# Altium PCB Copy of Testboard.PcbDoc (part 2 of 2) (continued)
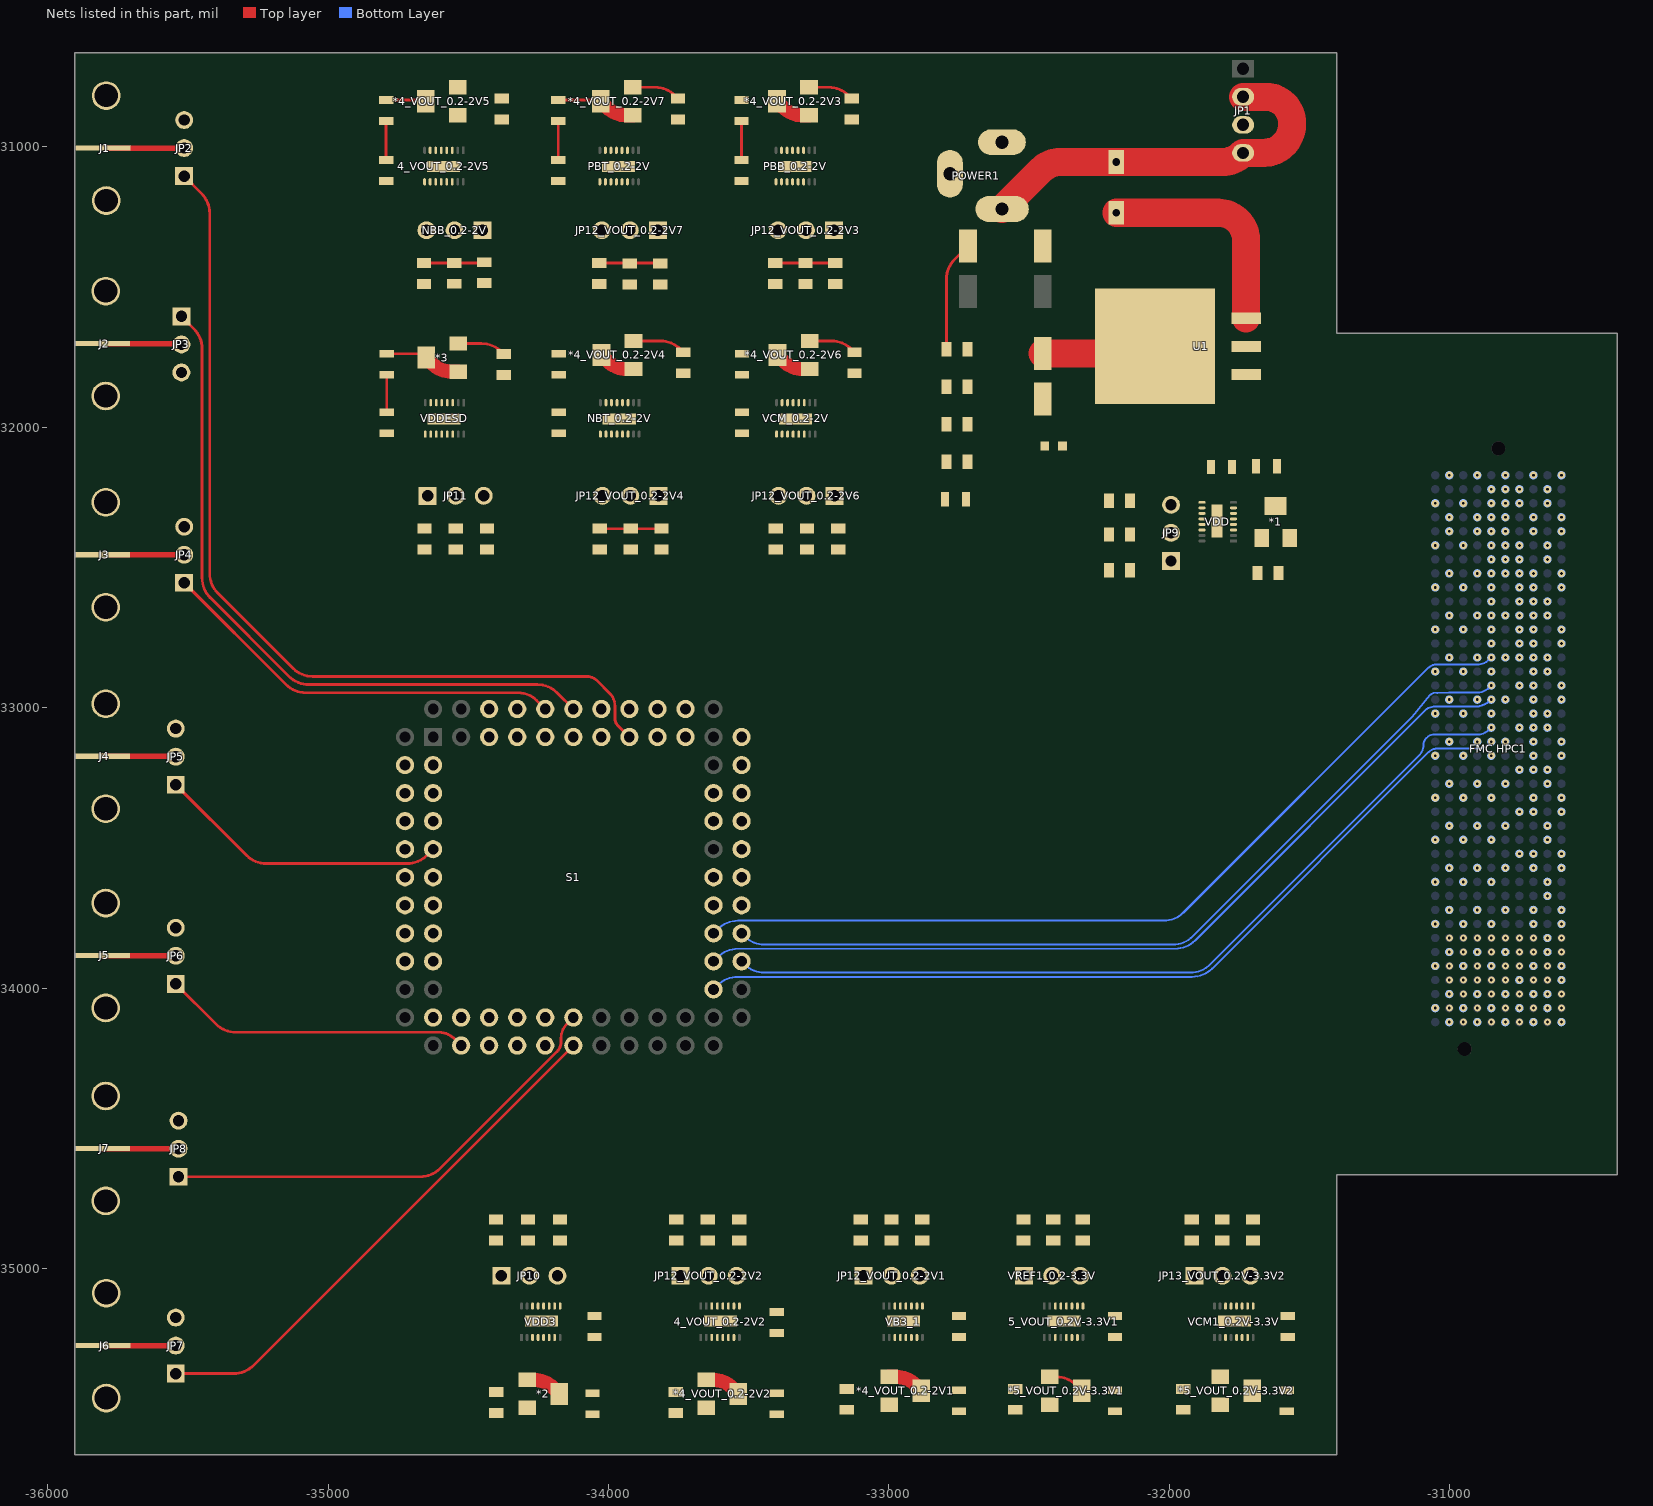
[diagram p2: the nets of this part, all layers, seen from the top]
## Nets (pads, with @x,y where several pads share a name; then routed paths per layer and width w, separated by ;. In a path a pad name is that pad's centre, name@x,y a point inside that pad or via, vN(x,y) a via of type N, cw(c..) or ccw(c..) an arc to the next point about the centre after c; other vN are vias at no path point) (continued)
  Bottom Layer w7: S1.18@-33525.44,-33805 -33514.73,-33815.71 ccw(c-33444.02,-33745) -33444.02,-33845 -31987.42,-33845 ccw(c-31987.42,-33745) -31916.71,-33815.71 -31134,-33033 -31070.98,-32956.02 ; -31070.96,-32955.99 cw(c-31052,-32971.51) -31046.37,-32947.67 ; v1(-30852,-32921.51) -30858.47,-32927.98 cw(c-30902,-32884.45) -30902,-32946.01 -31002.24,-32947.01 ccw(c-31002,-32971.51) -31002.35,-32947.01 -31043.07,-32947.62 ; -31046.37,-32947.67 ccw(c-31044.82,-32940.84) -31043.07,-32947.62 ; -31046.37,-32947.67 -31043.07,-32947.62
ADC_DOUT5: "FMC HPC1.F14" S1.19 | length 3167.4
  Bottom Layer w7: S1.19@-33625.44,-33805 -33609.73,-33789.29 cw(c-33539.02,-33860) -33539.02,-33760 -32020.42,-33760 ccw(c-32020.42,-33660) -31949.71,-33730.71 -31079.87,-32860.87 cw(c-31044,-32896.74) -31063.99,-32850.12 ccw(c-31066.8,-32843.71) -31063.55,-32849.9 cw(c-31052,-32871.51) -31055.01,-32847.2 ccw(c-31055.93,-32840.26) -31054.53,-32847.12 cw(c-31044,-32896.74) -31044,-32846.01 -30902,-32846.01 ccw(c-30901.98,-32784.49) -30876.38,-32840.43 ccw(c-30901.98,-32784.49) -30858.48,-32827.99 v1(-30852,-32821.51)
ADC_DOUT6: "FMC HPC1.F13" S1.20
  other v1: -30852,-32771.51
ADC_DOUT7: "FMC HPC1.F11" S1.21
  other v1: -30852,-32671.51
ADC_DOUT8: "FMC HPC1.F10" S1.22
  other v1: -30852,-32621.51
ADC_DOUT9: "FMC HPC1.F8" S1.23
  other v1: -30852,-32521.51
ADC_DOUT10: "FMC HPC1.F7" S1.24
  other v1: -30852,-32471.51
ADC_VIN: JP2.1 S1.40 | length 3247.6
  Top layer w10: JP2.1@-35513,-31105 -35451.29,-31166.71 cw(c-35522,-31237.42) -35422,-31237.42 -35422,-32521.54 ccw(c-35322,-32521.54) -35392.71,-32592.25 -35125.25,-32859.71 ccw(c-35054.54,-32789) -35054.54,-32889 -34077,-32889 cw(c-34077,-32939.47) -34041.31,-32903.78 -33995.32,-32949.78 cw(c-34039.55,-32994) -33977,-32994 -33977,-33040 ccw(c-33944.56,-33040) -33967.5,-33062.94 S1.40@-33925.44,-33105
DAC_CLK_AZ_IN1: "FMC HPC1.D12" S1.70
  other v1: -30752,-32721.51
DAC_CLK_DAC_IN1: "FMC HPC1.D14" S1.71
  other v1: -30752,-32821.51
DAC_CLK_IN1: "FMC HPC1.E2" S1.76
  other v1: -30802,-32221.51
DAC_DATAIN_IN1: "FMC HPC1.D9" S1.68
  other v1: -30752,-32571.51
DAC_RST_IN1: "FMC HPC1.D11" S1.69
  other v1: -30752,-32671.51
DAC_SHIFTOUT1: "FMC HPC1.E6" S1.80
  other v1: -30802,-32421.51
DAC_SYNC_IN1: "FMC HPC1.D8" S1.67
  other v1: -30752,-32521.51
DAC_TBUFFER_IN1: "FMC HPC1.E3" S1.79
  other v1: -30802,-32271.51
DAC_TBUFFER_OUT1: JP8.1 S1.2 | length 1670.4
  Top layer w10: JP8.1@-35533,-34673 -34671.42,-34673 ccw(c-34671.42,-34573) -34600.71,-34643.71 -34183.94,-34226.94 ccw(c-34220.21,-34190.66) -34168.91,-34190.66 -34168.91,-34177.98 cw(c-34097.68,-34177.98) -34148.05,-34127.61 S1.2@-34125.44,-34105
DAC_TDAC_IN1: "FMC HPC1.E7" S1.78
  other v1: -30802,-32471.51
DAC_TDAC_OUT1: JP6.1 S1.77 | length 1102.2
  Top layer w10: JP6.1@-35543,-33985 -35399.29,-34128.71 ccw(c-35328.58,-34058) -35328.58,-34158 -34604,-34158 cw(c-34604,-34234.2) -34555.9,-34175.1 cw(c-34604,-34234.2) -34550.12,-34180.32 S1.77@-34525.44,-34205 cw(c-34525.44,-34203.64) S1.77@-34526.39,-34204.61
DAC_VREF1: JP7.1 S1.1 | length 1897.9
  Top layer w10: JP7.1@-35543,-35375 -35336.86,-35375 ccw(c-35336.86,-35275) -35266.15,-35345.71 S1.1@-34125.44,-34205
GND: 4_VOUT_0.2-2V2.6 4_VOUT_0.2-2V2.7 4_VOUT_0.2-2V2.10 4_VOUT_0.2-2V2.11 4_VOUT_0.2-2V5.6 4_VOUT_0.2-2V5.7 4_VOUT_0.2-2V5.10 4_VOUT_0.2-2V5.11 5_VOUT_0.2V-3.3V1.6 5_VOUT_0.2V-3.3V1.7 5_VOUT_0.2V-3.3V1.10 5_VOUT_0.2V-3.3V1.11 "FMC HPC1.A1" "FMC HPC1.A4" "FMC HPC1.A5" "FMC HPC1.A8" "FMC HPC1.A9" "FMC HPC1.A12" "FMC HPC1.A13" "FMC HPC1.A16" "FMC HPC1.A17" "FMC HPC1.A20" "FMC HPC1.A21" "FMC HPC1.A24" "FMC HPC1.A25" "FMC HPC1.A28" "FMC HPC1.A29" "FMC HPC1.A32" "FMC HPC1.A33" "FMC HPC1.A36" "FMC HPC1.A37" "FMC HPC1.A40" "FMC HPC1.B2" "FMC HPC1.B3" "FMC HPC1.B6" "FMC HPC1.B7" "FMC HPC1.B10" "FMC HPC1.B11" "FMC HPC1.B14" "FMC HPC1.B15" "FMC HPC1.B18" "FMC HPC1.B19" "FMC HPC1.B22" "FMC HPC1.B23" "FMC HPC1.B26" "FMC HPC1.B27" "FMC HPC1.B30" "FMC HPC1.B31" "FMC HPC1.B34" "FMC HPC1.B35" "FMC HPC1.B38" "FMC HPC1.B39" "FMC HPC1.C1" "FMC HPC1.C4" "FMC HPC1.C5" "FMC HPC1.C8" "FMC HPC1.C9" "FMC HPC1.C12" "FMC HPC1.C13" "FMC HPC1.C16" "FMC HPC1.C17" "FMC HPC1.C20" "FMC HPC1.C21" "FMC HPC1.C24" "FMC HPC1.C25" "FMC HPC1.C28" "FMC HPC1.C29" "FMC HPC1.C32" "FMC HPC1.C33" "FMC HPC1.C36" "FMC HPC1.C38" "FMC HPC1.C40" "FMC HPC1.D2" "FMC HPC1.D3" "FMC HPC1.D6" "FMC HPC1.D7" "FMC HPC1.D10" "FMC HPC1.D13" "FMC HPC1.D16" "FMC HPC1.D19" "FMC HPC1.D22" "FMC HPC1.D25" "FMC HPC1.D28" "FMC HPC1.D37" "FMC HPC1.D39" "FMC HPC1.E1" "FMC HPC1.E4" "FMC HPC1.E5" "FMC HPC1.E8" "FMC HPC1.E11" "FMC HPC1.E14" "FMC HPC1.E17" "FMC HPC1.E20" "FMC HPC1.E23" "FMC HPC1.E26" "FMC HPC1.E29" "FMC HPC1.E32" "FMC HPC1.E35" "FMC HPC1.E38" "FMC HPC1.E40" "FMC HPC1.F2" "FMC HPC1.F3" "FMC HPC1.F6" "FMC HPC1.F9" "FMC HPC1.F12" "FMC HPC1.F15" "FMC HPC1.F18" "FMC HPC1.F21" "FMC HPC1.F24" "FMC HPC1.F27" "FMC HPC1.F30" "FMC HPC1.F33" "FMC HPC1.F36" "FMC HPC1.F39" "FMC HPC1.G1" "FMC HPC1.G4" "FMC HPC1.G5" "FMC HPC1.G8" "FMC HPC1.G11" "FMC HPC1.G14" "FMC HPC1.G17" "FMC HPC1.G20" "FMC HPC1.G23" "FMC HPC1.G26" "FMC HPC1.G29" "FMC HPC1.G32" "FMC HPC1.G35" "FMC HPC1.G38" "FMC HPC1.G40" "FMC HPC1.H3" "FMC HPC1.H6" "FMC HPC1.H9" "FMC HPC1.H12" "FMC HPC1.H15" "FMC HPC1.H18" "FMC HPC1.H21" "FMC HPC1.H24" "FMC HPC1.H27" "FMC HPC1.H30" "FMC HPC1.H33" "FMC HPC1.H36" "FMC HPC1.H39" "FMC HPC1.J1" "FMC HPC1.J4" "FMC HPC1.J5" "FMC HPC1.J8" "FMC HPC1.J11" "FMC HPC1.J14" "FMC HPC1.J17" "FMC HPC1.J20" "FMC HPC1.J23" "FMC HPC1.J26" "FMC HPC1.J29" "FMC HPC1.J32" "FMC HPC1.J35" "FMC HPC1.J38" "FMC HPC1.J40" "FMC HPC1.K3" "FMC HPC1.K6" "FMC HPC1.K9" "FMC HPC1.K12" "FMC HPC1.K15" "FMC HPC1.K18" "FMC HPC1.K21" "FMC HPC1.K24" "FMC HPC1.K27" "FMC HPC1.K30" "FMC HPC1.K33" "FMC HPC1.K36" "FMC HPC1.K39" C3.1 C4.2 C5.1 C6.1 C7.1 C8.1 C9.1 C10.2 C11.1 C12.1 C13.2 C14.1 C15.1 C16.2 C17.1 C18.1 C19.2 C20.1 C21.1 C22.2 C23.1 C24.1 C25.2 C26.1 C27.1 C28.2 C29.1 C30.1 C31.2 C32.1 C33.1 C34.2 C35.1 C36.1 C37.2 C38.1 C39.1 C40.1 C41.1 C42_VOUT_0.2-2V1.1 C42_VOUT_0.2-2V2.1 C42_VOUT_0.2-2V3.1 C42_VOUT_0.2-2V4.1 C42_VOUT_0.2-2V5.1 C42_VOUT_0.2-2V6.1 C42_VOUT_0.2-2V7.1 C43_VOUT_0.2V-3.3V1.1 C43_VOUT_0.2V-3.3V2.1 C44.2 C45.2 C46.2 C47.2 C48.2 D1.1 J1.MH J2.MH J3.MH J4.MH J5.MH J6.MH J7.MH JP1.3 JP2.3 JP3.3 JP4.3 JP5.3 JP6.3 JP7.3 JP8.3 JP9.3 JP10.3 JP11.3 JP12_VOUT_0.2-2V1.3 JP12_VOUT_0.2-2V2.3 JP12_VOUT_0.2-2V3.3 JP12_VOUT_0.2-2V4.3 JP12_VOUT_0.2-2V6.3 JP12_VOUT_0.2-2V7.3 JP13_VOUT_0.2V-3.3V2.3 NBB_0.2-2V.3 NBT_0.2-2V.6 NBT_0.2-2V.7 NBT_0.2-2V.10 NBT_0.2-2V.11 PBB_0.2-2V.6 PBB_0.2-2V.7 PBB_0.2-2V.10 PBB_0.2-2V.11 PBT_0.2-2V.6 PBT_0.2-2V.7 PBT_0.2-2V.10 PBT_0.2-2V.11 POWER1.2 POWER1.3 R2.1 R4.1 R6.1 R8_VOUT_0.2-2V1.1 R8_VOUT_0.2-2V2.1 R8_VOUT_0.2-2V3.1 R8_VOUT_0.2-2V4.1 R8_VOUT_0.2-2V5.1 R8_VOUT_0.2-2V6.1 R8_VOUT_0.2-2V7.1 R10_VOUT_0.2V-3.3V1.1 R10_VOUT_0.2V-3.3V2.1 S1.28 S1.30 S1.58 S1.61 S1.66 U1.1 VB3_1.6 VB3_1.7 VB3_1.10 VB3_1.11 VCM1_0.2V-3.3V.6 VCM1_0.2V-3.3V.7 VCM1_0.2V-3.3V.10 VCM1_0.2V-3.3V.11 VCM_0.2-2V.6 VCM_0.2-2V.7 VCM_0.2-2V.10 VCM_0.2-2V.11 VDD3.6 VDD3.7 VDD3.10 VDD3.11 VDD.6 VDD.7 VDD.10 VDD.11 VDDESD.6 VDDESD.7 VDDESD.10 VDDESD.11 VREF1_0.2-3.3V.3
  other v1: -31002,-34121.51 -30952,-34121.51 -30902,-34121.51 -30852,-34121.51 -30802,-34121.51 -30752,-34121.51 -30702,-34121.51 -30652,-34121.51 -30602,-34121.51 -31052,-34071.51 -31002,-34071.51 -30952,-34071.51 -30902,-34071.51 -30852,-34071.51 -30802,-34071.51 -30752,-34071.51 -30702,-34071.51 -30652,-34071.51 -30602,-34071.51 -31002,-34021.51 -30952,-34021.51 -30902,-34021.51 -30852,-34021.51 -30802,-34021.51 -30752,-34021.51 -30702,-34021.51 -30652,-34021.51 -30602,-34021.51 -31002,-33971.51 -30952,-33971.51 -30902,-33971.51 -30852,-33971.51 -30802,-33971.51 -30752,-33971.51 -30702,-33971.51 -30652,-33971.51 -30602,-33971.51 -31052,-33921.51 -31002,-33921.51 -30952,-33921.51 -30902,-33921.51 -30852,-33921.51 -30802,-33921.51 -30752,-33921.51 -30702,-33921.51 -30652,-33921.51 -30602,-33921.51 -31002,-33871.51 -30952,-33871.51 -30902,-33871.51 -30852,-33871.51 -30802,-33871.51 -30752,-33871.51 -30702,-33871.51 -30652,-33871.51 -30602,-33871.51 -31002,-33821.51 -30952,-33821.51 -30902,-33821.51 -30852,-33821.51 -30802,-33821.51 -30752,-33821.51 -30702,-33821.51 -30652,-33821.51 -30602,-33821.51 -31052,-33771.51 -30952,-33771.51 -30852,-33771.51 -30702,-33771.51 -30602,-33771.51 -31002,-33721.51 -30902,-33721.51 -30802,-33721.51 -30702,-33721.51 -30602,-33721.51 -30652,-33671.51 -31052,-33621.51 -30952,-33621.51 -30852,-33621.51 -30652,-33621.51 -31002,-33571.51 -30902,-33571.51 -30802,-33571.51 -30702,-33571.51 -30602,-33571.51 -30752,-33521.51 -30702,-33521.51 -30602,-33521.51 -31052,-33471.51 -30952,-33471.51 -30852,-33471.51 -30652,-33471.51 -31002,-33421.51 -30902,-33421.51 -30802,-33421.51 -30652,-33421.51 -30752,-33371.51 -30702,-33371.51 -30602,-33371.51 -31052,-33321.51 -30952,-33321.51 -30852,-33321.51 -30702,-33321.51 -30602,-33321.51 -31002,-33271.51 -30902,-33271.51 -30802,-33271.51 -30652,-33271.51 -30752,-33221.51 -30652,-33221.51 -31052,-33171.51 -30952,-33171.51 -30852,-33171.51 -30702,-33171.51 -30602,-33171.51 -31002,-33121.51 -30902,-33121.51 -30802,-33121.51 -30702,-33121.51 -30602,-33121.51 -30752,-33071.51 -30652,-33071.51 -31052,-33021.51 -30952,-33021.51 -30852,-33021.51 -30652,-33021.51 -31002,-32971.51 -30902,-32971.51 -30802,-32971.51 -30702,-32971.51 -30602,-32971.51 -30752,-32921.51 -30702,-32921.51 -30602,-32921.51 -31052,-32871.51 -30952,-32871.51 -30852,-32871.51 -30652,-32871.51 -31002,-32821.51 -30902,-32821.51 -30802,-32821.51 -30652,-32821.51 -30752,-32771.51 -30702,-32771.51 -30602,-32771.51 -31052,-32721.51 -30952,-32721.51 -30852,-32721.51 -30702,-32721.51 -30602,-32721.51 -31002,-32671.51 -30902,-32671.51 -30802,-32671.51 -30652,-32671.51 -30752,-32621.51 -30652,-32621.51 -31052,-32571.51 -30952,-32571.51 -30852,-32571.51 -30702,-32571.51 -30602,-32571.51 -31002,-32521.51 -30902,-32521.51 -30802,-32521.51 -30702,-32521.51 -30602,-32521.51 -30752,-32471.51 -30652,-32471.51 -31052,-32421.51 -30952,-32421.51 -30852,-32421.51 -30752,-32421.51 -30652,-32421.51 -31002,-32371.51 -30902,-32371.51 -30802,-32371.51 -30702,-32371.51 -30602,-32371.51 -31002,-32321.51 -30902,-32321.51 -30802,-32321.51 -30702,-32321.51 -30602,-32321.51 -31052,-32271.51 -30952,-32271.51 -30852,-32271.51 -30752,-32271.51 -30652,-32271.51 -30852,-32221.51 -30752,-32221.51 -30652,-32221.51 -31002,-32171.51 -30902,-32171.51 -30802,-32171.51 -30702,-32171.51 -30602,-32171.51
NBB0.2-2V: C9.2 C10.1 C11.2 NBB_0.2-2V.2 S1.37 S1.56 | length 215.9
  Top layer w10: C9.2@-34658,-31415.2 -34450.72,-31415.2 ccw(c-34450.72,-31404.28) C11.2@-34443,-31412
NBT0.2-2V: C12.2 C13.1 C14.2 JP12_VOUT_0.2-2V4.2 S1.36 S1.57 | length 220
  Top layer w10: C12.2@-34031.02,-32362.2 C14.2@-33811,-32362.2
Net1_3: *1.3 C39.2 JP9.1 VDD.3 VDD.4
Net1_5: *1.1 *1.2 R1.2 VDD.5
Net2_3: *2.3 C40.2 JP10.1 VDD3.3 VDD3.4
Net2_5: *2.1 *2.2 R3.2 VDD3.5 | length 130.6
  Top layer w50: *2.1@-34290.09,-35397.01 -34267.33,-35397.01 cw(c-34267.33,-35497.01) -34196.62,-35426.3 *2.2@-34175.91,-35447.01
Net3_3: *3.3 C41.2 JP11.1 VDDESD.3 VDDESD.4 | length 173.1
  Top layer w10: *3.3@-34535.91,-31701.87 -34452.75,-31701.87 cw(c-34452.75,-31801.87) -34382.04,-31731.16 C41.2@-34374,-31739.2
Net3_5: *3.1 *3.2 R5.2 VDDESD.5 | length 275.2
  Top layer w10: R5.2@-34791,-31738 -34683.56,-31738 cw(c-34683.56,-31785.34) *3.2@-34650.09,-31751.87
  Top layer w50: *3.2@-34650.09,-31751.87 -34629.38,-31772.58 ccw(c-34558.66,-31701.87) -34558.66,-31801.87 *3.1@-34535.91,-31801.87
Net4_VOUT_0.2-2V1_3: *4_VOUT_0.2-2V1.3 C42_VOUT_0.2-2V1.2 JP12_VOUT_0.2-2V1.1 VB3_1.3 VB3_1.4
Net4_VOUT_0.2-2V1_5: *4_VOUT_0.2-2V1.1 *4_VOUT_0.2-2V1.2 R7_VOUT_0.2-2V1.2 VB3_1.5 | length 130.6
  Top layer w50: *4_VOUT_0.2-2V1.1@-32998.46,-35386.04 -32975.71,-35386.04 cw(c-32975.71,-35486.04) -32905,-35415.33 *4_VOUT_0.2-2V1.2@-32884.29,-35436.04
Net4_VOUT_0.2-2V2_3: 4_VOUT_0.2-2V2.3 4_VOUT_0.2-2V2.4 *4_VOUT_0.2-2V2.3 C42_VOUT_0.2-2V2.2 JP12_VOUT_0.2-2V2.1
Net4_VOUT_0.2-2V2_5: 4_VOUT_0.2-2V2.5 *4_VOUT_0.2-2V2.1 *4_VOUT_0.2-2V2.2 R7_VOUT_0.2-2V2.2 | length 130.6
  Top layer w50: *4_VOUT_0.2-2V2.1@-33651.07,-35397.01 -33628.32,-35397.01 cw(c-33628.32,-35497.01) -33557.61,-35426.3 *4_VOUT_0.2-2V2.2@-33536.9,-35447.01
Net4_VOUT_0.2-2V3_3: *4_VOUT_0.2-2V3.3 C42_VOUT_0.2-2V3.2 JP12_VOUT_0.2-2V3.1 PBB_0.2-2V.3 PBB_0.2-2V.4 | length 164.3
  Top layer w10: *4_VOUT_0.2-2V3.3@-33284.93,-30788 -33214.66,-30788 cw(c-33214.66,-30888) -33143.95,-30817.29 C42_VOUT_0.2-2V3.2@-33133,-30828.24
Net4_VOUT_0.2-2V3_5: *4_VOUT_0.2-2V3.1 *4_VOUT_0.2-2V3.2 PBB_0.2-2V.5 R7_VOUT_0.2-2V3.2 | length 130.6
  Top layer w50: *4_VOUT_0.2-2V3.2@-33399.1,-30838 -33378.39,-30858.71 ccw(c-33307.68,-30788) -33307.68,-30888 *4_VOUT_0.2-2V3.1@-33284.93,-30888
Net4_VOUT_0.2-2V4_3: *4_VOUT_0.2-2V4.3 C42_VOUT_0.2-2V4.2 JP12_VOUT_0.2-2V4.1 NBT_0.2-2V.3 NBT_0.2-2V.4 | length 190.3
  Top layer w10: *4_VOUT_0.2-2V4.3@-33910.93,-31692.76 -33814.66,-31692.76 cw(c-33814.66,-31792.76) -33743.95,-31722.05 C42_VOUT_0.2-2V4.2@-33733,-31733
Net4_VOUT_0.2-2V4_5: *4_VOUT_0.2-2V4.1 *4_VOUT_0.2-2V4.2 NBT_0.2-2V.5 R7_VOUT_0.2-2V4.2 | length 130.6
  Top layer w50: *4_VOUT_0.2-2V4.2@-34025.1,-31742.76 -34004.39,-31763.47 ccw(c-33933.68,-31692.76) -33933.68,-31792.76 *4_VOUT_0.2-2V4.1@-33910.93,-31792.76
Net4_VOUT_0.2-2V5_3: 4_VOUT_0.2-2V5.3 4_VOUT_0.2-2V5.4 *4_VOUT_0.2-2V5.3 C42_VOUT_0.2-2V5.2 NBB_0.2-2V.1
Net4_VOUT_0.2-2V5_5: 4_VOUT_0.2-2V5.5 *4_VOUT_0.2-2V5.1 *4_VOUT_0.2-2V5.2 R7_VOUT_0.2-2V5.2 | length 140.9
  Top layer w10: R7_VOUT_0.2-2V5.2@-34792.6,-30833.64 -34678.58,-30833.64 *4_VOUT_0.2-2V5.2@-34652.09,-30838
Net4_VOUT_0.2-2V6_3: *4_VOUT_0.2-2V6.3 C42_VOUT_0.2-2V6.2 JP12_VOUT_0.2-2V6.1 VCM_0.2-2V.3 VCM_0.2-2V.4 | length 172.3
  Top layer w10: *4_VOUT_0.2-2V6.3@-33282.93,-31692.76 -33204.66,-31692.76 cw(c-33204.66,-31792.76) -33133.95,-31722.05 C42_VOUT_0.2-2V6.2@-33123,-31733
Net4_VOUT_0.2-2V6_5: *4_VOUT_0.2-2V6.1 *4_VOUT_0.2-2V6.2 R7_VOUT_0.2-2V6.2 VCM_0.2-2V.5 | length 130.6
  Top layer w50: *4_VOUT_0.2-2V6.2@-33397.1,-31742.76 -33376.39,-31763.47 ccw(c-33305.68,-31692.76) -33305.68,-31792.76 *4_VOUT_0.2-2V6.1@-33282.93,-31792.76
Net4_VOUT_0.2-2V7_3: *4_VOUT_0.2-2V7.3 C42_VOUT_0.2-2V7.2 JP12_VOUT_0.2-2V7.1 PBT_0.2-2V.3 PBT_0.2-2V.4 | length 173.3
  Top layer w10: *4_VOUT_0.2-2V7.3@-33912.93,-30788 -33833.66,-30788 cw(c-33833.66,-30888) -33762.95,-30817.29 C42_VOUT_0.2-2V7.2@-33752,-30828.24
Net4_VOUT_0.2-2V7_5: *4_VOUT_0.2-2V7.1 *4_VOUT_0.2-2V7.2 PBT_0.2-2V.5 R7_VOUT_0.2-2V7.2 | length 283.8
  Top layer w10: R7_VOUT_0.2-2V7.2@-34179,-30833.24 -34038.61,-30833.24 cw(c-34038.61,-30849.5) *4_VOUT_0.2-2V7.2@-34027.1,-30838
  Top layer w50: *4_VOUT_0.2-2V7.2@-34027.1,-30838 -34006.39,-30858.71 ccw(c-33935.68,-30788) -33935.68,-30888 *4_VOUT_0.2-2V7.1@-33912.93,-30888
Net5_VOUT_0.2V-3.3V1_3: 5_VOUT_0.2V-3.3V1.3 *5_VOUT_0.2V-3.3V1.3 C43_VOUT_0.2V-3.3V1.2 VREF1_0.2-3.3V.1
Net5_VOUT_0.2V-3.3V1_5: 5_VOUT_0.2V-3.3V1.5 *5_VOUT_0.2V-3.3V1.1 *5_VOUT_0.2V-3.3V1.2 R9_VOUT_0.2V-3.3V1.2 | length 130.6
  Top layer w10: *5_VOUT_0.2V-3.3V1.1@-32426.17,-35386.04 -32403.42,-35386.04 cw(c-32403.42,-35486.04) -32332.71,-35415.33 *5_VOUT_0.2V-3.3V1.2@-32312,-35436.04
Net5_VOUT_0.2V-3.3V2_3: *5_VOUT_0.2V-3.3V2.3 C43_VOUT_0.2V-3.3V2.2 JP13_VOUT_0.2V-3.3V2.1 VCM1_0.2V-3.3V.3
Net5_VOUT_0.2V-3.3V2_5: *5_VOUT_0.2V-3.3V2.1 *5_VOUT_0.2V-3.3V2.2 R9_VOUT_0.2V-3.3V2.2 VCM1_0.2V-3.3V.5
NetD1_2: D1.2 R11.1
NetJ1_1: J1.1 JP2.2 | length 290
  Top layer w20: J1.1@-35803,-31005 JP2.2@-35513,-31005
NetJ2_1: J2.1 JP3.2 | length 283.1
  Top layer w20: J2.1@-35804.81,-31702.01 -35804.26,-31702.56 -35525.44,-31702.56 JP3.2@-35523,-31705
NetJ3_1: J3.1 JP4.2 | length 291.6
  Top layer w20: J3.1@-35804.57,-32455 JP4.2@-35513,-32455
NetJ4_1: J4.1 JP5.2 | length 262.4
  Top layer w20: J4.1@-35804.81,-33173.5 -35804.26,-33174.06 -35543.94,-33174.06 JP5.2@-35543,-33175
NetJ5_1: J5.1 JP6.2 | length 262.2
  Top layer w20: J5.1@-35804.81,-33884 -35804.31,-33884.5 -35543.5,-33884.5 JP6.2@-35543,-33885
NetJ6_1: J6.1 JP7.2 | length 260
  Top layer w20: J6.1@-35803,-35275 JP7.2@-35543,-35275
NetJ7_1: J7.1 JP8.2 | length 272.2
  Top layer w10: J7.1@-35804.81,-34572.01 J7.1@-35804.31,-34572.5 ; JP8.2@-35533.5,-34572.5 JP8.2@-35533,-34573
  Top layer w20: J7.1@-35804.31,-34572.5 JP8.2@-35533.5,-34572.5
NetR1_1: R1.1 R2.2
NetR3_1: R3.1 R4.2
NetR5_1: R5.1 R6.2 | length 134.4
  Top layer w10: R6.2@-34791,-31947.24 R5.1@-34791,-31812.8
NetR7_VOUT_0.2-2V1_1: R7_VOUT_0.2-2V1.1 R8_VOUT_0.2-2V1.2
NetR7_VOUT_0.2-2V2_1: R7_VOUT_0.2-2V2.1 R8_VOUT_0.2-2V2.2
NetR7_VOUT_0.2-2V3_1: R7_VOUT_0.2-2V3.1 R8_VOUT_0.2-2V3.2 | length 139.3
  Top layer w10: R8_VOUT_0.2-2V3.2@-33526,-31047.38 R7_VOUT_0.2-2V3.1@-33526,-30908.04
NetR7_VOUT_0.2-2V4_1: R7_VOUT_0.2-2V4.1 R8_VOUT_0.2-2V4.2
NetR7_VOUT_0.2-2V5_1: R7_VOUT_0.2-2V5.1 R8_VOUT_0.2-2V5.2 | length 139.3
  Top layer w10: R8_VOUT_0.2-2V5.2@-34793,-31047.38 R7_VOUT_0.2-2V5.1@-34793,-30908.04
NetR7_VOUT_0.2-2V6_1: R7_VOUT_0.2-2V6.1 R8_VOUT_0.2-2V6.2
NetR7_VOUT_0.2-2V7_1: R7_VOUT_0.2-2V7.1 R8_VOUT_0.2-2V7.2 | length 139.3
  Top layer w10: R8_VOUT_0.2-2V7.2@-34179,-31047.38 R7_VOUT_0.2-2V7.1@-34179,-30908.04
NetR9_VOUT_0.2V-3.3V1_1: R9_VOUT_0.2V-3.3V1.1 R10_VOUT_0.2V-3.3V1.2
NetR9_VOUT_0.2V-3.3V2_1: R9_VOUT_0.2V-3.3V2.1 R10_VOUT_0.2V-3.3V2.2
PBB0.2-2V: C15.2 C16.1 C17.2 JP12_VOUT_0.2-2V3.2 S1.35 S1.60 | length 213
  Top layer w10: C15.2@-33405.02,-31415.2 C17.2@-33192,-31415.2
PBT0.2-2V: C3.2 C4.1 C5.2 JP12_VOUT_0.2-2V7.2 S1.39 S1.49 | length 218.2
  Top layer w10: C5.2@-34033.02,-31415.2 -33816.94,-31415.2 cw(c-33816.94,-31417.94) C3.2@-33815,-31416
POWER: JP1.2 JP1.4 POWER1.1 Switch1.1 | length 1398.9
  Top layer w100: POWER1.1@-32596.45,-31222.19 -32458.03,-31083.77 cw(c-32387.32,-31154.48) -32387.32,-31054.48 Switch1.1@-32189,-31054.48 -31810.9,-31054.48 ccw(c-31810.9,-30954.48) -31740.19,-31025.19 JP1.4@-31737,-31022 -31663,-31022 ccw(c-31663,-30922) -31563,-30922 -31563,-30915 ccw(c-31656,-30915) -31656,-30822 JP1.2@-31737,-30822
TIA_CIN0: "FMC HPC1.C11" S1.42
  other v1: -30702,-32671.51
TIA_CIN1: "FMC HPC1.C18" S1.47
  other v1: -30702,-33021.51
TIA_CIN2: "FMC HPC1.C10" S1.41
  other v1: -30702,-32621.51
TIA_CIN3: "FMC HPC1.C15" S1.46
  other v1: -30702,-32871.51
TIA_CIN4: "FMC HPC1.C19" S1.50
  other v1: -30702,-33071.51
TIA_CIN5: "FMC HPC1.C14" S1.44
  other v1: -30702,-32821.51
TIA_CIN6: "FMC HPC1.C22" S1.64
  other v1: -30702,-33221.51
TIA_VIN: JP3.1 S1.43 | length 2487.5
  Top layer w10: JP3.1@-35523,-31605 -35478.29,-31649.71 cw(c-35549,-31720.42) -35449,-31720.42 -35449,-32537.58 ccw(c-35349,-32537.58) -35419.71,-32608.29 -35139.29,-32888.71 ccw(c-35068.58,-32818) -35068.58,-32918 -34253.86,-32918 cw(c-34253.86,-33018) -34183.15,-32947.29 S1.43@-34125.44,-33005
TIA_VIP: JP4.1 S1.45 | length 1465.6
  Top layer w10: JP4.1@-35513,-32555 -35150.29,-32917.71 ccw(c-35079.58,-32847) -35079.58,-32947 -34322,-32947 cw(c-34322,-33040.1) -34256.17,-32974.27 S1.45@-34225.44,-33005
TIA_VOUT: JP5.1 S1.63 | length 1054.9
  Top layer w10: JP5.1@-35543,-33275 -35291.29,-33526.71 ccw(c-35220.58,-33456) -35220.58,-33556 -34717.86,-33556 ccw(c-34717.86,-33456) -34647.15,-33526.71 S1.63@-34625.44,-33505 cw(c-34636.15,-33505) S1.63@-34628.57,-33512.57
VB3_1: C21.2 C22.1 C23.2 JP12_VOUT_0.2-2V1.2 S1.81
VB4_1: C18.2 C19.1 C20.2 JP12_VOUT_0.2-2V2.2 S1.82
VCM0.2-2V: C6.2 C7.2 C8.2 JP12_VOUT_0.2-2V6.2 S1.38 S1.48
VCM1_0.2V-3.3V: C33.2 C34.1 C35.2 JP13_VOUT_0.2V-3.3V2.2 S1.83
VREF1_0.2V-3.3V: C30.2 C31.1 C32.2 S1.84 VREF1_0.2-3.3V.2
pads on no net: 4_VOUT_0.2-2V2.1 4_VOUT_0.2-2V2.2 4_VOUT_0.2-2V2.8 4_VOUT_0.2-2V2.15 4_VOUT_0.2-2V2.16 4_VOUT_0.2-2V5.1 4_VOUT_0.2-2V5.2 4_VOUT_0.2-2V5.8 4_VOUT_0.2-2V5.15 4_VOUT_0.2-2V5.16 5_VOUT_0.2V-3.3V1.1 5_VOUT_0.2V-3.3V1.2 5_VOUT_0.2V-3.3V1.4 5_VOUT_0.2V-3.3V1.8 5_VOUT_0.2V-3.3V1.15 5_VOUT_0.2V-3.3V1.16 "FMC HPC1." "FMC HPC1.A2" "FMC HPC1.A3" "FMC HPC1.A6" "FMC HPC1.A7" "FMC HPC1.A10" "FMC HPC1.A11" "FMC HPC1.A14" "FMC HPC1.A15" "FMC HPC1.A18" "FMC HPC1.A19" "FMC HPC1.A22" "FMC HPC1.A23" "FMC HPC1.A26" "FMC HPC1.A27" "FMC HPC1.A30" "FMC HPC1.A31" "FMC HPC1.A34" "FMC HPC1.A35" "FMC HPC1.A38" "FMC HPC1.A39" "FMC HPC1.B1" "FMC HPC1.B4" "FMC HPC1.B5" "FMC HPC1.B8" "FMC HPC1.B9" "FMC HPC1.B12" "FMC HPC1.B13" "FMC HPC1.B16" "FMC HPC1.B17" "FMC HPC1.B20" "FMC HPC1.B21" "FMC HPC1.B24" "FMC HPC1.B25" "FMC HPC1.B28" "FMC HPC1.B29" "FMC HPC1.B32" "FMC HPC1.B33" "FMC HPC1.B36" "FMC HPC1.B37" "FMC HPC1.B40" "FMC HPC1.C2" "FMC HPC1.C3" "FMC HPC1.C6" "FMC HPC1.C7" "FMC HPC1.C23" "FMC HPC1.C26" "FMC HPC1.C27" "FMC HPC1.C30" "FMC HPC1.C31" "FMC HPC1.C34" "FMC HPC1.C35" "FMC HPC1.C37" "FMC HPC1.C39" "FMC HPC1.D1" "FMC HPC1.D4" "FMC HPC1.D5" "FMC HPC1.D15" "FMC HPC1.D17" "FMC HPC1.D18" "FMC HPC1.D20" "FMC HPC1.D21" "FMC HPC1.D23" "FMC HPC1.D24" "FMC HPC1.D26" "FMC HPC1.D27" "FMC HPC1.D29" "FMC HPC1.D30" "FMC HPC1.D31" "FMC HPC1.D32" "FMC HPC1.D33" "FMC HPC1.D34" "FMC HPC1.D35" "FMC HPC1.D36" "FMC HPC1.D38" "FMC HPC1.D40" "FMC HPC1.E9" "FMC HPC1.E10" "FMC HPC1.E12" "FMC HPC1.E13" "FMC HPC1.E15" "FMC HPC1.E16" "FMC HPC1.E18" "FMC HPC1.E19" "FMC HPC1.E21" "FMC HPC1.E22" "FMC HPC1.E24" "FMC HPC1.E25" "FMC HPC1.E27" "FMC HPC1.E28" "FMC HPC1.E30" "FMC HPC1.E31" "FMC HPC1.E33" "FMC HPC1.E34" "FMC HPC1.E36" "FMC HPC1.E37" "FMC HPC1.E39" "FMC HPC1.F1" "FMC HPC1.F22" "FMC HPC1.F23" "FMC HPC1.F25" "FMC HPC1.F26" "FMC HPC1.F28" "FMC HPC1.F29" "FMC HPC1.F31" "FMC HPC1.F32" "FMC HPC1.F34" "FMC HPC1.F35" "FMC HPC1.F37" "FMC HPC1.F38" "FMC HPC1.F40" "FMC HPC1.G2" "FMC HPC1.G3" "FMC HPC1.G6" "FMC HPC1.G7" "FMC HPC1.G9" "FMC HPC1.G10" "FMC HPC1.G12" "FMC HPC1.G13" "FMC HPC1.G15" "FMC HPC1.G16" "FMC HPC1.G18" "FMC HPC1.G19" "FMC HPC1.G21" "FMC HPC1.G22" "FMC HPC1.G24" "FMC HPC1.G25" "FMC HPC1.G27" "FMC HPC1.G28" "FMC HPC1.G30" "FMC HPC1.G31" "FMC HPC1.G33" "FMC HPC1.G34" "FMC HPC1.G36" "FMC HPC1.G37" "FMC HPC1.G39" "FMC HPC1.H1" "FMC HPC1.H2" "FMC HPC1.H4" "FMC HPC1.H5" "FMC HPC1.H7" "FMC HPC1.H8" "FMC HPC1.H10" "FMC HPC1.H11" "FMC HPC1.H13" "FMC HPC1.H14" "FMC HPC1.H16" "FMC HPC1.H17" "FMC HPC1.H19" "FMC HPC1.H20" "FMC HPC1.H22" "FMC HPC1.H23" "FMC HPC1.H25" "FMC HPC1.H26" "FMC HPC1.H28" "FMC HPC1.H29" "FMC HPC1.H31" "FMC HPC1.H32" "FMC HPC1.H34" "FMC HPC1.H35" "FMC HPC1.H37" "FMC HPC1.H38" "FMC HPC1.H40" "FMC HPC1.J2" "FMC HPC1.J3" "FMC HPC1.J6" "FMC HPC1.J7" "FMC HPC1.J9" "FMC HPC1.J10" "FMC HPC1.J12" "FMC HPC1.J13" "FMC HPC1.J15" "FMC HPC1.J16" "FMC HPC1.J18" "FMC HPC1.J19" "FMC HPC1.J21" "FMC HPC1.J22" "FMC HPC1.J24" "FMC HPC1.J25" "FMC HPC1.J27" "FMC HPC1.J28" "FMC HPC1.J30" "FMC HPC1.J31" "FMC HPC1.J33" "FMC HPC1.J34" "FMC HPC1.J36" "FMC HPC1.J37" "FMC HPC1.J39" "FMC HPC1.K1" "FMC HPC1.K2" "FMC HPC1.K4" "FMC HPC1.K5" "FMC HPC1.K7" "FMC HPC1.K8" "FMC HPC1.K10" "FMC HPC1.K11" "FMC HPC1.K13" "FMC HPC1.K14" "FMC HPC1.K16" "FMC HPC1.K17" "FMC HPC1.K19" "FMC HPC1.K20" "FMC HPC1.K22" "FMC HPC1.K23" "FMC HPC1.K25" "FMC HPC1.K26" "FMC HPC1.K28" "FMC HPC1.K29" "FMC HPC1.K31" "FMC HPC1.K32" "FMC HPC1.K34" "FMC HPC1.K35" "FMC HPC1.K37" "FMC HPC1.K38" "FMC HPC1.K40" C1.2 C2.2 JP1.1 NBT_0.2-2V.1 NBT_0.2-2V.2 NBT_0.2-2V.8 NBT_0.2-2V.15 NBT_0.2-2V.16 PBB_0.2-2V.1 PBB_0.2-2V.2 PBB_0.2-2V.8 PBB_0.2-2V.15 PBB_0.2-2V.16 PBT_0.2-2V.1 PBT_0.2-2V.2 PBT_0.2-2V.8 PBT_0.2-2V.15 PBT_0.2-2V.16 S1.3 S1.4 S1.5 S1.6 S1.7 S1.8 S1.9 S1.10 S1.11 S1.12 S1.13 S1.14 S1.25 S1.31 S1.33 S1.34 S1.51 S1.52 S1.53 S1.54 S1.55 S1.72 S1.73 S1.74 S1.75 VB3_1.1 VB3_1.2 VB3_1.8 VB3_1.15 VB3_1.16 VCM1_0.2V-3.3V.1 VCM1_0.2V-3.3V.2 VCM1_0.2V-3.3V.4 VCM1_0.2V-3.3V.8 VCM1_0.2V-3.3V.15 VCM1_0.2V-3.3V.16 VCM_0.2-2V.1 VCM_0.2-2V.2 VCM_0.2-2V.8 VCM_0.2-2V.15 VCM_0.2-2V.16 VDD3.1 VDD3.2 VDD3.8 VDD3.15 VDD3.16 VDD.1 VDD.2 VDD.8 VDD.15 VDD.16 VDDESD.1 VDDESD.2 VDDESD.8 VDDESD.15 VDDESD.16
copper on no net:
  other v1: -31052,-34121.51 -31052,-34021.51 -31052,-33971.51 -31052,-33821.51 -31002,-33771.51 -30902,-33771.51 -30802,-33771.51 -30752,-33771.51 -30652,-33771.51 -31052,-33721.51 -30952,-33721.51 -30852,-33721.51 -30752,-33721.51 -30652,-33721.51 -31052,-33671.51 -31002,-33671.51 -30952,-33671.51 -30902,-33671.51 -30852,-33671.51 -30802,-33671.51 -30752,-33671.51 -30702,-33671.51 -30602,-33671.51 -31002,-33621.51 -30902,-33621.51 -30802,-33621.51 -30752,-33621.51 -30702,-33621.51 -30602,-33621.51 -31052,-33571.51 -30952,-33571.51 -30852,-33571.51 -30752,-33571.51 -30652,-33571.51 -31052,-33521.51 -31002,-33521.51 -30952,-33521.51 -30902,-33521.51 -30852,-33521.51 -30802,-33521.51 -30652,-33521.51 -31002,-33471.51 -30902,-33471.51 -30802,-33471.51 -30752,-33471.51 -30702,-33471.51 -30602,-33471.51 -31052,-33421.51 -30952,-33421.51 -30852,-33421.51 -30752,-33421.51 -30702,-33421.51 -30602,-33421.51 -31052,-33371.51 -31002,-33371.51 -30952,-33371.51 -30902,-33371.51 -30852,-33371.51 -30802,-33371.51 -30652,-33371.51 -31002,-33321.51 -30902,-33321.51 -30802,-33321.51 -30752,-33321.51 -30652,-33321.51 -31052,-33271.51 -30952,-33271.51 -30852,-33271.51 -30752,-33271.51 -30702,-33271.51 -30602,-33271.51 -31052,-33221.51 -31002,-33221.51 -30952,-33221.51 -30902,-33221.51 -30852,-33221.51 -30802,-33221.51 -30602,-33221.51 -31002,-33171.51 -30902,-33171.51 -30802,-33171.51 -30752,-33171.51 -30652,-33171.51 -31052,-33121.51 -30952,-33121.51 -30752,-33121.51 -30652,-33121.51 -31052,-33071.51 -31002,-33071.51 -30952,-33071.51 -30902,-33071.51 -30802,-33071.51 -30602,-33071.51 -31002,-33021.51 -30902,-33021.51 -30802,-33021.51 -30752,-33021.51 -30602,-33021.51 -31052,-32971.51 -30952,-32971.51 -30752,-32971.51 -30652,-32971.51 -31052,-32921.51 -31002,-32921.51 -30952,-32921.51 -30902,-32921.51 -30802,-32921.51 -30652,-32921.51 -31002,-32871.51 -30902,-32871.51 -30802,-32871.51 -30752,-32871.51 -30602,-32871.51 -31052,-32821.51 -30952,-32821.51 -30602,-32821.51 -31052,-32771.51 -31002,-32771.51 -30952,-32771.51 -30902,-32771.51 -30802,-32771.51 -30652,-32771.51 -31002,-32721.51 -30902,-32721.51 -30802,-32721.51 -30652,-32721.51 -31052,-32671.51 -30952,-32671.51 -30602,-32671.51 -31052,-32621.51 -31002,-32621.51 -30952,-32621.51 -30902,-32621.51 -30802,-32621.51 -30602,-32621.51 -31002,-32571.51 -30902,-32571.51 -30802,-32571.51 -30652,-32571.51 -31052,-32521.51 -30952,-32521.51 -30652,-32521.51 -31052,-32471.51 -31002,-32471.51 -30952,-32471.51 -30902,-32471.51 -30702,-32471.51 -30602,-32471.51 -31002,-32421.51 -30902,-32421.51 -30702,-32421.51 -30602,-32421.51 -31052,-32371.51 -30952,-32371.51 -30752,-32371.51 -30652,-32371.51 -31052,-32321.51 -30952,-32321.51 -30752,-32321.51 -30652,-32321.51 -31002,-32271.51 -30902,-32271.51 -30702,-32271.51 -30602,-32271.51 -31052,-32221.51 -31002,-32221.51 -30952,-32221.51 -30902,-32221.51 -30702,-32221.51 -30602,-32221.51 -31052,-32171.51 -30952,-32171.51 -30852,-32171.51 -30752,-32171.51 -30652,-32171.51
  other v2: -31052,-33871.51

## Text inside footprints (layer, text, board x,y; h text height)
J1: Mechanical 3 "Board Edge" at -35910.36,-31403.39 h30 r90
J2: Mechanical 3 "Board Edge" at -35912.18,-32100.39 h30 r90
J3: Mechanical 3 "Board Edge" at -35911.94,-32853.39 h30 r90
J4: Mechanical 3 "Board Edge" at -35912.18,-33571.89 h30 r90
J5: Mechanical 3 "Board Edge" at -35912.18,-34282.39 h30 r90
J6: Mechanical 3 "Board Edge" at -35910.36,-35673.39 h30 r90
J7: Mechanical 3 "Board Edge" at -35912.17,-34970.39 h30 r90
JP1: Top Overlay "1" at -31827,-30742 h30
S1: Top Overlay "1" at -33324.44,-33108 h30
U1: Top Overlay "*" at -31701,-31899.5 h30 r90; Mechanical 13 "*" at -31837,-31824.5 h30 r90